# Altium PCB GPSGSMTruck.PcbDoc (continued)
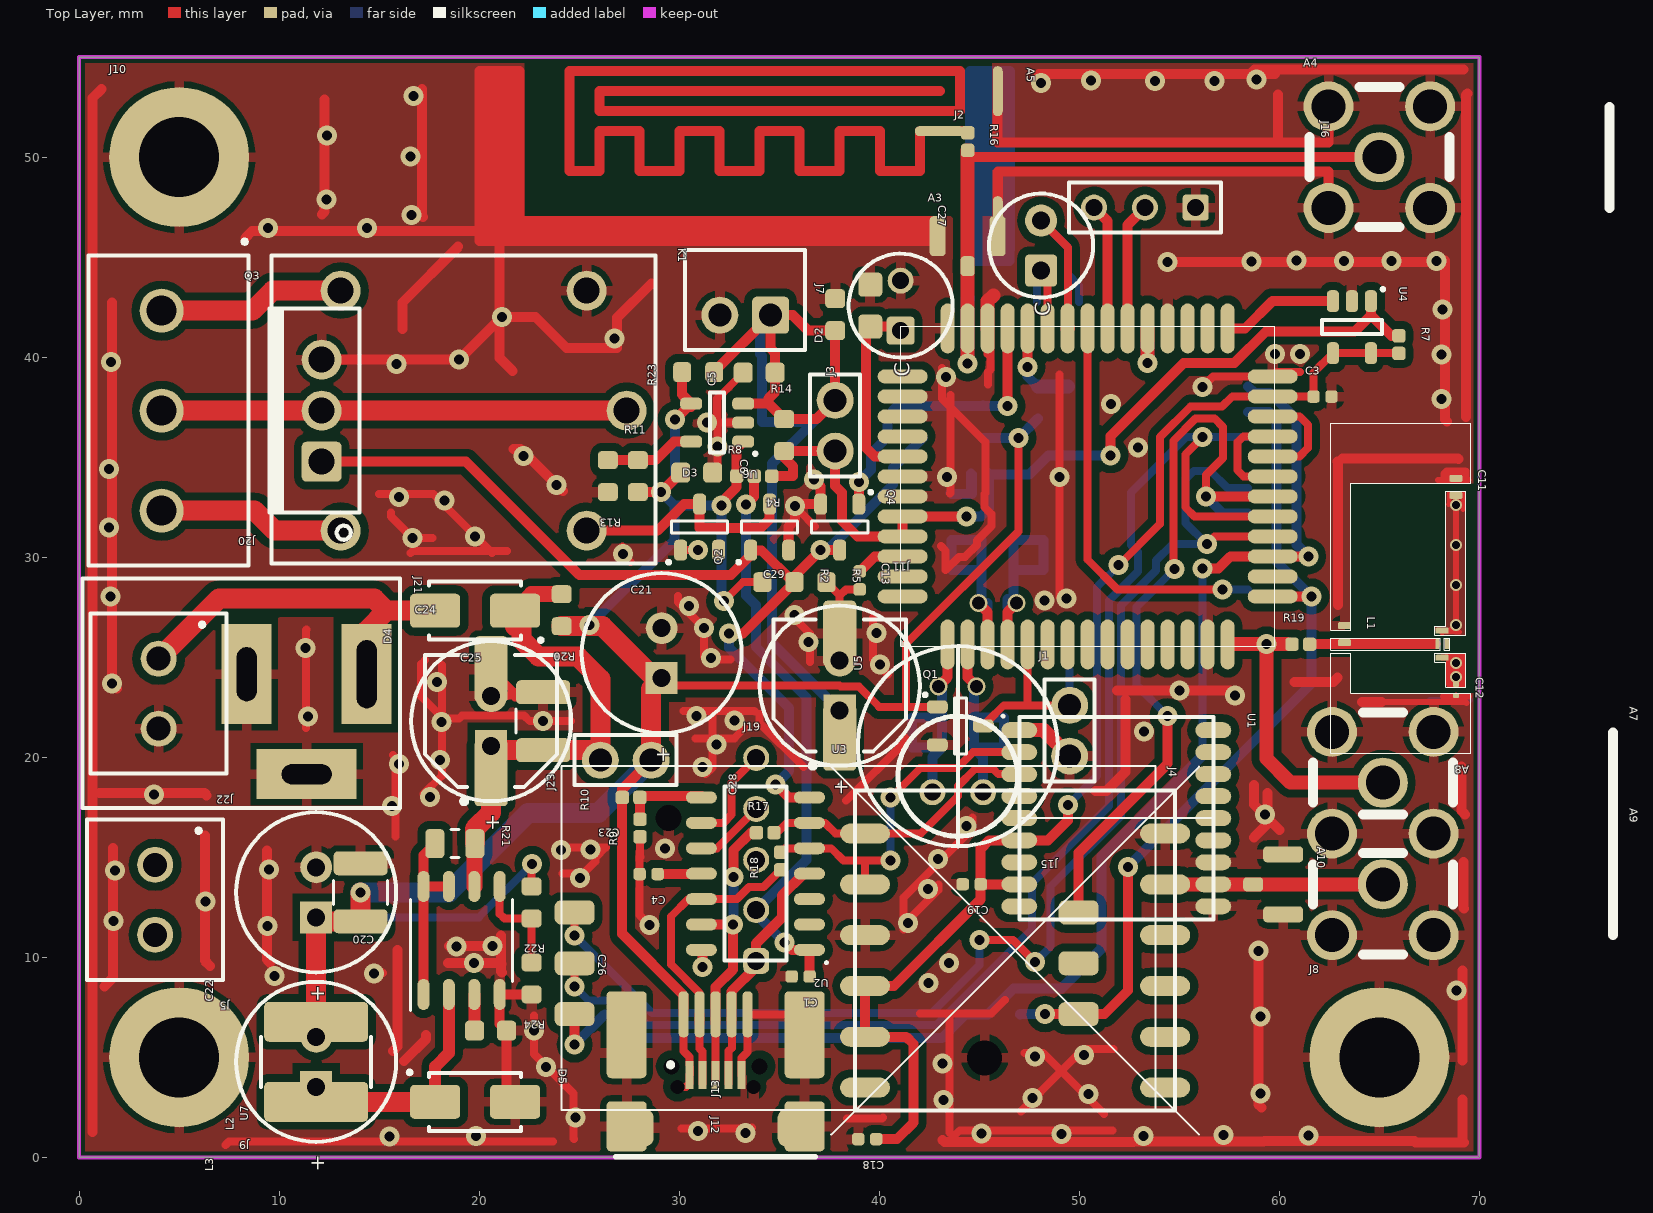
[diagram p0: Top Layer view]
## Footprints (in the part's own frame and the unit in brackets; to place one, negate y for a bottom-side part, rotate by r counter-clockwise, add the part's x,y. Pads: shape width x height; smd on the part's side, far side on the other; paste and mask are expansions set on the pad) (continued)
SMD_CHIP_ANTENNA_GPS_BT [mm] "ANT016008LCD"
  rrect33% 0.3x0.65 smd mask+0.075: 1(-0.675,0) 2(0.675,0)
  rrect33% 0.5x0.21 smd mask+0.075: 3(0,0.23) 4(0,-0.23)
  rrect42% 0.35x0.65 smd mask+0.075: 5(-8.29,0.69) 6(-7.44,0.69) 9(-0.93,-4.88) 10(-0.08,-4.88)
  rrect42% 0.25x0.3 smd mask+0.075: 7(2.01,0.69) 8(2.56,0.69)
  Top Layer lines w0.25: 2.01,0.69 1.65,0.69
  Top Layer lines w0.3: 0.675,0 0.675,0.19 0.675,0.415 0.95,0.69 ; -0.675,0 -0.675,0.395 -0.97,0.69 -4.97,0.69 -6.97,0.69 -7.44,0.69
  silkscreen extent -11.06,-5.56 5.44,1.44
SMD_CON-ATTEND_MICRO_SIM_115Q-BCA0 [mm] "ATTEND MicroSIM Holder 115Q-BCA0"
  rrect50% 1x1.3 smd mask+0.05: 1(3.57,15.75) 2(1.03,15.75) 3(-1.51,15.75) 4(-4.05,15.75) 5(2.3,15.75) 6(-0.24,15.75) 7(-2.78,15.75) 8(-5.32,15.75) 9(-6.59,15.75)
  rrect50% 1.15x2.1 smd mask+0.05: 10(-8.07,0) 11(8.07,0)
  rrect67% 1.15x2.35 smd mask+0.05: 12(-8.33,11.78)
  rrect67% 1.15x2.5 smd mask+0.05: 13(8.33,14.1)
  silkscreen extent -8.9,-1.15 8.9,16.45, body extent -8.64,-1.55 8.65,16.52, height 1.63
SMD_CON-ATTEND_SIM_115B-AAA0-R01 [mm] "ATTEND SIM Holder 115B-AAA0-R01"
  rrect50% 2x1.2 smd mask+0.05: 1(-20.5,2.19) 2(-20.5,4.73) 3(-20.5,7.27) 5(4.7,2.19) 6(4.7,4.73) 7(4.7,7.27)
  rrect50% 1x1 hole 1.3 mask+0.05: 13(-15.8,12)
  rrect50% 1x1 hole 1.75 mask+0.05: 14(0,0)
  silkscreen extent -21.15,-2.6 8.55,14.6, body extent -21.15,-2.6 8.55,14.6, height 2.4
SMD_CON-CVILUX-CU04-SCM15B0 [mm]
  rrect80% 0.5x2.3 smd mask+0.075: 1(-1.6,2.6) 2(-0.8,2.6) 3(0,2.6) 4(0.8,2.6) 5(1.6,2.6)
  rrect20% 2x2.5 smd mask+0.075: 6(4.45,2.5) 7(4.45,-3) 8(-4.45,-3) 9(-4.45,2.5)
  round 0.1 hole 0.8 unplated mask+0.275: 10(-2.2,0) 11(2.2,0)
  body extent -4.95,-5.9 4.95,3.1, height 3.95
SMD_CON_ANTENNA_GSM_PCB_1_INV [mm]
  oval 2.5x0.5 smd: 1(-2.025,0)
  rrect50% 0.7x1.5 smd: 2(-2.125,-5)
  rrect50% 0.7x2.5 smd far side: 2(-0.025,-5.5)
  oval 0.5x2.5 smd: 2(0.875,-4.498) 2(0.875,2)
  Top Layer lines w0.5: -23.525,3 -23.525,-4.998 -23.525,-5.496 ; -3.025,0 -3.025,-2 -5.025,-2 -5.025,0 -7.025,0 -7.025,-1.99 -9.025,-1.99 -9.025,0 -11.025,0 -11.025,-1.99 -13.025,-1.99 -13.025,0 -15.025,0 -15.025,-1.99 -17.025,-1.99 -17.025,0 -19.025,0 -19.025,-1.99 -20.525,-1.99 -20.525,3 -1.025,3 -1.025,1 -19.025,1 -19.025,2 -2.025,2 ; -2.125,-4.998 -2.13,-4.998 -2.82,-4.998 -23.025,-4.998 ; -2.125,-4.996 -2.125,-5.496 ; -24.525,-5.496 -24.525,-4.998 -24.525,3 -24.025,3 -24.025,-3.74 -24.025,-4.998 -24.025,-5.496 ; -24.525,-5.496 -25.025,-5.496 -25.025,-4.998 -25.025,3 -23.025,3 -23.025,-4.5 ; -24.525,-5.496 -24.025,-5.496 ; -24.025,-5.496 -23.525,-5.496 ; -23.525,-5.496 -23.025,-5.496 ; -23.025,-5.496 -23.025,-4.998 ; -23.025,-5.496 -23.025,-4.998 ; -23.025,-5.496 -5.025,-5.496 ; -23.025,-4.998 -23.025,-4.5 ; -23.025,-4.998 -23.025,-4.5 ; -23.025,-4.5 -2.13,-4.5 -2.125,-4.5 -2.125,-5.496 ; -5.025,-5.496 -3.025,-5.496 ; -5.025,-5.496 -3.025,-5.496 ; -3.025,-5.496 -2.13,-5.496 -2.125,-5.496 ; -2.125,-5.496 -2.125,-4.496 -2.125,-5.496
  Bottom Layer lines w0.5: 1.475,3 0.975,3 ; -0.025,-6.5 0.475,-6.5 ; -0.025,-6.5 -0.025,3 ; -0.025,-6.5 -0.525,-6.5 -0.525,3 -0.025,3 ; -0.025,3 0.475,3 ; 0.475,-6.5 0.975,-6.5 0.975,3 ; 0.475,-6.5 0.475,-5.5 0.475,3 ; 0.475,3 0.975,3
SMD_CON_ANTENNA_SMA_RIGHT_ANGLE#1 [mm]
  round 2.5 hole 1.7: 1(0,0) 2(-2.54,-2.54) 2(-2.54,2.54) 2(2.54,-2.54) 2(2.54,2.54)
  silkscreen extent -3.5,-3.5 11.5,3.5, body extent -3.15,-3.16 9.13,3.15, height 9.7
SMD_CON_ANTENNA_SMA_RIGHT_ANGLE#2 [mm]
  round 2.5 hole 1.7: 1(0,0) 2(-2.54,2.54) 2(2.54,2.54)
  silkscreen extent -3.5,-3.5 11.5,3.5, body extent -3.15,-3.16 9.13,3.15, height 9.7
SMD_CON_ANTENNA_UFL [mm]
  rrect50% 0.7x1 smd: 1(0,-1.5)
  rrect50% 0.8x2 smd: 2(-1.5,0) 2(1.5,0)
SMD_CON_MICRO_USB [mm]
  rect 1.4x0.4 smd: 1(0,-1.3) 2(0,-0.65) 3(0,0) 4(0,0.65) 5(0,1.3)
  round 0.5 hole 0.7: 6(0.6,1.9) 9(0.6,-1.9)
  rrect50% 1.9x1.8 smd: 7(2.65,4) 8(2.65,-4)
  silkscreen extent -0.6,-5 4.1,5, body extent -0.1,-4 5.5,4, height 2.7
SMD_DO214AC_SMA [mm]
  rrect24% 2.5x1.7 smd mask+0.075: 1(-2,0) 2(2,0)
  silkscreen extent -3.46,-1.45 2.3,1.65, body extent -2.64,-1.39 2.64,1.4, height 2.29
SMD_INDM600500 [mm] "FPI0504 DA54"
  rrect25% 2x5.2 smd mask+0.075: 1(-2,0) 2(2,0)
  silkscreen extent -1.25,-2.75 1.25,2.75, body extent -3.1,-3.1 3.1,3.1, height 2.8
SMD_MOD_L76_SOIC110P970X1010-18N [mm] "Quectel L76"
  oval 1.8x0.8 smd mask+0.075: 1(-4.85,4.4) 2(-4.85,3.3) 3(-4.85,2.2) 4(-4.85,1.1) 5(-4.85,0) 6(-4.85,-1.1) 7(-4.85,-2.2) 8(-4.85,-3.3) 9(-4.85,-4.4) 10(4.85,-4.4) 11(4.85,-3.3) 12(4.85,-2.2) 13(4.85,-1.1) 14(4.85,0) 15(4.85,1.1) 16(4.85,2.2) 17(4.85,3.3) 18(4.85,4.4)
  silkscreen extent -5.77,-5.05 4.85,5.22, body extent -4.85,-5.05 4.85,5.05, height 2.52
SMD_MOD_L80_SOIC254P1600X1600-12N [mm] "Quectel L80 L86"
  oval 2.5x1 smd mask+0.075: 1(-7.5,5.85) 2(-7.5,3.31) 3(-7.5,0.77) 4(-7.5,-1.77) 5(-7.5,-4.31) 6(-7.5,-6.85) 7(7.5,-6.85) 8(7.5,-4.31) 9(7.5,-1.77) 10(7.5,0.77) 11(7.5,3.31) 12(7.5,5.85)
  silkscreen extent -9.2,-9.2 9.2,9.2, body extent -8,-8 8,8, height 6.95
SMD_MOD_MC60_54_PIN [mm]
  oval 2.5x0.7 smd: 1(-7.9,7) 2(-7.9,6) 3(-7.9,5) 4(-7.9,4) 5(-7.9,3) 6(-7.9,2) 7(-7.9,1) 8(-7.9,0) 9(-7.9,-1) 10(-7.9,-2) 11(-7.9,-3) 12(-7.9,-4) 13(-7.9,-5) 14(-7.9,-6) 15(-7.9,-7) 28(7.9,-7) 29(7.9,-6) 30(7.9,-5) 31(7.9,-4) 32(7.9,-3) 33(7.9,-2) 34(7.9,-1) 35(7.9,0) 36(7.9,1) 37(7.9,2) 38(7.9,3) 39(7.9,4) 40(7.9,5) 41(7.9,6) 42(7.9,7)
  oval 0.7x2.5 smd: 16(-5.5,-9.25) 17(-4.5,-9.25) 18(-3.5,-9.25) 19(-2.5,-9.25) 20(-1.5,-9.25) 21(-0.5,-9.25) 22(0.5,-9.25) 23(1.5,-9.25) 24(2.5,-9.25) 25(3.5,-9.25) 26(4.5,-9.25) 27(5.5,-9.25) 43(5.5,9.25) 44(4.5,9.25) 45(3.5,9.25) 46(2.5,9.25) 47(1.5,9.25) 48(0.5,9.25) 49(-0.5,9.25) 50(-1.5,9.25) 51(-2.5,9.25) 52(-3.5,9.25) 53(-4.5,9.25) 54(-5.5,9.25)
  silkscreen extent -8,-9.35 8,9.35, body extent -7.9,-8.85 7.9,8.85, height 2.3
SMD_SOIC127P600X175-8N [mm]
  oval 1.55x0.6 smd mask+0.075: 1(-2.7,1.905) 2(-2.7,0.635) 3(-2.7,-0.635) 4(-2.7,-1.905) 5(2.7,-1.905) 6(2.7,-0.635) 7(2.7,0.635) 8(2.7,1.905)
  silkscreen extent -3.5,-2.55 2.05,2.55, body extent -3,-2.5 3,2.5, height 1.75
SMD_SOIC127P600X175-14N [mm]
  oval 1.55x0.6 smd mask+0.075: 1(-2.7,3.81) 2(-2.7,2.54) 3(-2.7,1.27) 4(-2.7,0) 5(-2.7,-1.27) 6(-2.7,-2.54) 7(-2.7,-3.81) 8(2.7,-3.81) 9(2.7,-2.54) 10(2.7,-1.27) 11(2.7,0) 12(2.7,1.27) 13(2.7,2.54) 14(2.7,3.81)
  silkscreen extent -3.66,-4.35 1.55,4.56, body extent -3,-4.32 3,4.33, height 1.75
SMD_SOT23_SOT95P240X120-3N [mm]
  rrect62% 1.05x0.65 smd mask+0.075: 1(-1.15,0.95) 2(-1.15,-0.95) 3(1.15,0)
  silkscreen extent -1.82,-1.4 0.3,1.62, body extent -1.2,-1.45 1.2,1.45, height 1.2
"SMD_SOT26_SOT95P285X140-5N - DLV" [mm]
  rrect67% 1.1x0.6 smd mask+0.075: 1(-1.3,0.95) 2(-1.3,0) 3(-1.3,-0.95) 4(1.3,-0.95) 5(1.3,0.95)
  silkscreen extent -2.05,-1.5 0.35,1.7, body extent -1.5,-1.5 1.5,1.5, height 1.2
SMD_SW_TACT-64K_5 [mm]
  rrect31% 1.3x1.6 smd mask+0.075: 1(-2.25,4) 2(-2.25,-4) 3(2.25,4) 4(2.25,-4)
  silkscreen extent -3.25,-3.4 3.25,3.4, body extent -1.74,-1.75 1.75,1.75, height 5

## Part data
A1 A2 A3 A4 A5 A6 A7 A9 A10: library part ANTENNA_2
C1 C2 C3 C4 C5 C6 C7 C8 C9 C11 C12 C13 C14 C15 C16 C17 C18 C19 C20 C23 C30 C31 C32 C33 C34 C35 C36 C37 C38 C39 C40 C41: library part C
C10: library part "Cap Semi", "CL32A227MQVNNNE 220UF 6.3V 20% X5R 1210"
C21 C24 C25 C28 C29: library part "CAPACITOR POL", "Capacitor"
C22 C26 C27: library part CAP, "Capacitor"
D1 D2: library part D
D3: "1N4148"
D4 D5: library part D_STKY
J2 J3 J7 J15: library part CON_2PINS
J4: library part CON_14PINS
J12 J13: library part CON_USB_MINI
J20: library part CON_3PINS
L1: library part L
L2: library part INDUCTOR1, "FPI0504 DA54"
L3: library part INDUCTOR1
Q1 Q2 Q4: library part BJT_NPN_B1E2C3
Q3: library part MOS_N_D1_G1D2S3
R1 R2 R3 R4 R5 R6 R7 R8 R9 R10 R11 R12 R13 R14 R15 R16 R17 R18 R19 R20: library part R
R21 R22 R23 R24: library part RES2
SW1: library part BUTTON_1
U1: library part MOD_QUECTEL_L76
U3: library part MOD_QUECTEL_L80_L86
U4: library part IC_BU33TD3WG
U6: "MCP73812"
U7: "DC/DC converter"

## Free pads (board coordinates)
  rrect25% 2x2.5 smd: 0(27.37,5.2) 0(36.27,5.2)

## Via types
v1: diameter 1, hole 0.5, Top Layer to Bottom Layer, tented both sides, 164 vias
v2: diameter 0.6, hole 0.4, Top Layer to Bottom Layer, tented both sides, 6 vias

## Nets (pads, with @x,y where several pads share a name; then routed paths per layer and width w, separated by ;. In a path a pad name is that pad's centre, name@x,y a point inside that pad or via, vN(x,y) a via of type N, cw(c..) or ccw(c..) an arc to the next point about the centre after c; other vN are vias at no path point)
1PPS: U5.17
5.0V: C6.1 C20.2 C21.1 C22.1 J12.1 J12.9 J13.1 J23.1 L2.2 L3.2 Q1.1 R1.1 R2.1 R8.1 R10.2 R11.1 R12.1 R20.2 R22.1 R23.2 U6.1 U6.4 | length 134.6
  Top Layer w0.4: R22.1 22.62,14.64 v1(22.65,14.67) ; 27.14,13.54 27.15,13.53 ; C21.1@29.36,23.95 29.735,23.575 38.025,23.575 38.075,23.525 38.991,23.525 39.996,22.52 41.325,22.52 ; J12.9 30.336,3.525 30.52,3.709 J12.1 ; J13.1 30.22,5.31 30.52,5.01 30.54,4.125 J12.1@30.54,4.105 ; v1(32.23,27.8) 33.18,28.75 R2.1 ; Q1.1 41.325,22.52 ; v1(46.96,35.96) 46.96,31.29 41.325,25.655 41.325,22.52
  Top Layer w0.5: R20.2 24.185,26.61 v1(25.52,26.61) ; R11.1 v1(29.1,33.25) C6.1 ; J23.1 27.15,18.405 27.15,13.53 27.15,11.171 30.22,8.101 J13.1 ; v1(29.8,36.89) 30.585,37.675 U6.4 ; R23.2 30.15,38.125 U6.4 ; U6.4@30.6,37.51 U6.4 ; v1(32.11,32.59) 32.11,32.744 32.87,33.504 R8.1 32.87,35.445 U6.1
  Top Layer w1: L2.2 C22.1 12.05,11.8 C20.2 v1(14.075,13.25) ; R20.2 26.16,26.55 28.76,23.95 C21.1 ; J23.1 28.595,23.42 C21.1 ; C21.1@29.36,23.95 C21.1
  Bottom Layer w0.4: C22.1 19.98,12 v1(22.65,14.67)
  Bottom Layer w0.5: v1(25.52,26.61) 29.76,30.85 29.76,32.59 ; v1(29.8,36.89) 29.8,33.95 v1(29.1,33.25) 29.76,32.59 ; v1(32.23,27.8) 32.11,27.92 v1(32.11,32.59) 29.76,32.59 ; R1.1 v1(46.96,35.96) R12.1
  Bottom Layer w1: v1(14.075,13.25) 18.48,13.25 22.45,17.22 25.965,17.22 J23.1
8-24V: D4.2 J21.1 J22.1 | length 18.9
  Top Layer w1: J22.1 6.98,27.93 14.755,27.93 15.36,27.325 ; J21.1 14.375,26.34 15.36,27.325 ; D4.2 15.36,27.325
ADC: U5.6
AUX_RX: U5.22 U5.24 | length 5.2
  Top Layer w0.4: U5.22 58.22,34.04 57.91,34.35 57.91,35.75 58.2,36.04 U5.24
AUX_TX: U5.23 U5.25 | length 5
  Top Layer w0.4: U5.23 61.01,35.04 61.44,35.47 61.44,36.62 61.02,37.04 U5.25
B_BT: A8.2 A8.7 C12.1 | length 7
  Top Layer w0.25: C12.1 v2(68.83,24) ; v2(68.83,24.7) v2@68.83,24.47 ; v2(68.83,24) 68.641,24.189 68.641,24.421 68.71,24.49 68.81,24.49 v2@68.83,24.47 ; v2(68.83,24) v2@68.83,24.11 ; v2@68.83,24.11 69.03,24.31 69.03,24.44 68.86,24.44 v2@68.83,24.47 ; v2@68.83,24.11 v2@68.83,24.47
  Top Layer w0.3: A8.2 68.33,24.975 68.405,25.05 69.188,25.05 69.188,23.632 68.488,23.632 68.488,24.908 68.555,24.975
B_GPS: A8.1 A8.6 C11.2 | length 3
  Top Layer w0.25: A8.1@68.14,26.214 68.176,26.25 69.01,26.25 ; 68.452,32.633 68.492,32.672 68.492,33.193 69.19,33.193 69.19,32.39
  other v2: 68.83,26.62 68.83,28.62 68.83,30.62 68.83,32.62
BT_ANT: A2.1 U5.32 | length 2.7
  Top Layer w0.7: v1(53.42,39.71) U5.32
  Bottom Layer w0.7: v1(53.42,39.71) A2.1
CD1: 
CD2: 
COMMON: J20.2 K1.3 Q3.2 | length 23.2
  Top Layer w1: J20.2 K1.3
D+: J12.3 J13.3 R17.1 U2.13 | length 15.1
  Top Layer w0.4: J12.3@31.82,3.7 J12.3 J13.3@31.82,6.725
  Top Layer w0.5: U2.13 v1(32.69,11.64) 32.69,9.38 31.82,8.51 J13.3 J13.3@31.82,6.725 ; v1(32.72,14.01) 32.72,15.366 33.583,16.229 R17.1
  Bottom Layer w0.5: v1(32.69,11.64) 32.72,11.67 v1(32.72,14.01)
D-: J12.2 J13.2 R18.1 U2.12 | length 15.4
  Top Layer w0.4: J13.2@31.02,6.725 31.02,5.445 31.17,5.295 J12.2 J12.2@31.17,3.7 ; J13.2 31.02,8.22 29.596,9.644 29.596,12.046 30.46,12.91 U2.12 32.893,12.91 33.493,13.51 34.21,13.51 R18.1
  Top Layer w0.5: J13.2@31.02,6.725 J13.2
DBG_RX: U5.30
DBG_TX: U5.29
FORCE_ON: U1.18
FORCE_ON_1: U3.7
GATE: Q2.1 Q3.1 Q4.3 R2.2 R3.2 R5.1 U2.7 | length 53.8
  Top Layer w0.5: Q3.1 19.345,34.775 25.006,29.114 32.58,29.114 Q2.1@33.575,30.109 ; v1(32.49,26.18) 33.19,26.18 R5.1 ; Q2.1 Q2.1@33.575,30.109 ; v1(34.82,18.64) 35.47,17.99 U2.7 ; Q4.3 v1(37.065,30.35) 35.76,29.045 R5.1 ; Q2.1@33.575,30.109 33.806,30.34 34.117,30.34 35.707,28.75 R5.1
  Bottom Layer w0.5: v1(32.49,26.18) 32.49,25.474 35.495,22.469 35.495,19.315 v1(34.82,18.64) ; v1(37.065,30.35) 37.405,30.35 40.69,33.635 40.69,34.47 R3.2
GND: A1.2 A2.2 A3.2 A4.2 A5.2 A6.2 A7.2 A8.5 A8.8 A8.9 A9.2 A10.2 C1.2 C3.2 C4.2 C5.2 C6.2 C7.2 C8.2 C9.2 C10.2 C11.1 C12.2 C13.2 C14.2 C15.2 C16.2 C17.2 C18.2 C19.2 C20.1 C21.2 C22.2 C23.1 C24.2 C25.2 C26.2 C27.1 C28.2 C29.2 C30.1 C31.1 C32.1 C33.1 C38.2 C39.2 C40.2 C41.2 D2.2 D3.1 D5.2 J1.1 J3.2 J4.13 J4.14 J7.1 J8.1 J9.1 J10.1 J12.5 J12.6 J12.7 J12.8 J13.5 J13.6 J13.7 J13.8 J13.9 J14.10 J14.11 J14.12 J14.13 J16.3 J19.3 J21.2 J21.3 J22.2 K1.1 L1.1 pad.0 Q1.2 Q2.2 Q3.3 Q4.2 R5.2 R6.2 R9.1 R13.2 R15.2 R24.2 SW1.2 U1.1 U1.10 U1.12 U2.14 U3.3 U3.12 U4.2 U5.14 U5.27 U5.31 U5.40 U5.42 U5.44 U5.45 U5.48 U5.49 U6.2 U7.4 | length 634.1
  Top Layer w0.3: 65.121,22.76 68.5,22.76 ; 67.93,33.864 69.459,33.864 69.351,33.972 69.351,34.311 69.314,34.347 68.364,34.347 68.198,34.181 68.198,34.041 68.729,34.041 C11.1 69.06,33.94 69.27,34.15 69.27,34.18 69.26,34.19 68.229,34.19 68.227,34.187 ; 68.174,23.033 C12.2@68.773,23.033 ; C12.2 C12.2@68.773,23.033 ; 69.35,22.72 69.31,22.76 68.5,22.76 ; 69.486,23.033 C12.2@68.773,23.033 ; 68.5,22.76 C12.2@68.773,23.033
  Top Layer w0.4: 7.31,0.62 7.486,0.796 23.68,0.796 ; 11.34,21.46 11.34,26.36 11.37,26.39 ; 15,33.149 17.711,33.149 20.55,30.31 ; v1@15.157,9.25 v1@15.19,9.217 ; 15.59,32.23 15.59,32.033 v1(16.664,30.96) 17.67,30.96 ; 15.69,20.1 15.81,19.98 15.81,16.05 ; 16.57,30.2 16.68,30.31 20.55,30.31 ; v1@17.22,18.16 18.13,19.07 v1@18.13,22.01 ; 17.301,24.85 17.1,24.649 17.1,23.04 v1@18.13,22.01 ; 18.13,24.6 v1@18.13,22.01 ; 20.65,30.21 20.55,30.31 ; 21.38,30.31 20.55,30.31 ; 22.74,7.09 22.74,5.16 24.71,3.19 24.71,0.94 24.73,0.92 ; C23.1 C23.1@22.07,23.25 ; 24.17,14.198 25.221,14.198 25.82,14.797 25.82,14.992 26.328,15.5 v1@24.313,15.5 ; 24.6,21.8 22.53,21.8 22.241,22.089 19.15,22.089 19.001,21.94 18.24,21.94 18.22,21.92 v1@18.13,22.01 ; v1@27.16,30.539 27.16,30.16 27.556,29.764 ; R9.1 28.04,15.03 ; 28.06,15.01 28.04,15.03 ; v1(28.517,11.61) 28.02,12.107 C4.2 28.02,15.01 28.04,15.03 ; 29.944,28.07 29.944,27.764 v1(31.246,26.462) 31.246,25.044 31.4,24.89 32.567,24.89 ; D3.1 v1(30.93,30.35) v1@30.95,30.37 ; 30.103,1.45 33.612,1.45 v1@33.64,1.478 ; 30.21,22.32 31.656,22.32 ; 30.81,20.947 v1@31.656,20.947 ; v1@31.322,19.15 31.656,19.484 v1@31.656,20.947 ; v1(31.4,36.725) v1@31.9,36.725 ; C6.2 31.92,34.47 v1(31.92,35.53) 31.92,36.705 v1@31.9,36.725 ; J12.5 33.12,4.967 33.42,5.267 J13.5 34.42,7.15 34.43,7.14 36.18,7.14 J13.6 ; U6.2 v1@31.9,36.725 ; C5.2 31.9,37.925 v1@31.9,36.725 ; 33.275,21.47 32.751,20.947 v1@31.656,20.947 ; 33.78,22.29 33.75,22.32 31.656,22.32 ; 34.019,22.157 34.019,21.714 36.21,19.523 ; v1@35.495,27.22 36.526,26.189 36.526,24.751 ; v1@36.001,32.69 36.001,32.65 36.001,32.322 36.78,31.543 ; R5.2 38.025,28.085 ; C29.2 38.025,28.085 ; 38.349,17.83 41.28,20.761 41.28,20.988 ; 38.385,1.93 40.14,1.93 40.19,1.98 ; C13.2 38.33,28.39 38.025,28.085 ; 39.696,26.98 39.696,24.874 40.444,24.127 ; v1@41.22,11.39 41.22,12.989 44.66,16.429 44.66,16.99 ; v1@41.6,12.009 42.965,13.374 42.965,13.64 ; 42.03,7.2 45.608,7.2 46.278,7.87 ; 43.08,30.56 43.321,30.319 43.321,29.35 43.981,30.01 44.275,30.01 44.88,30.615 44.88,30.832 45.61,31.562 45.61,32.15 45.26,32.5 45.26,33.17 45.3,33.21 45.3,35.764 43.565,37.499 ; 43.125,39.46 43.125,37.939 43.565,37.499 ; 43.503,7.12 43.503,1.237 43.55,1.19 ; 43.536,33.193 43.565,33.223 43.565,37.499 ; 43.565,38.11 43.565,37.499 ; 43.678,1 44.028,1.35 51.654,1.35 ; 45.448,38.641 45.448,39.268 45.56,39.38 45.56,40.03 ; 47.08,2.29 49.103,4.313 ; 47.25,5.22 48.195,5.22 49.103,4.313 ; 49.008,39.145 49.008,28.012 v1@49.04,27.98 ; 51.244,2.171 49.103,4.313 ; 51.71,5.415 50.205,5.415 49.103,4.313 ; v1(56.15,38.51) 56.68,39.04 U5.27@59.637,39.04 ; U5.27 U5.27@59.637,39.04 ; 61.03,39.26 59.857,39.26 U5.27@59.637,39.04 ; 21.75,23.25 C24.2 C25.2 21.074,23.05 21.094,23.07 21.39,23.07 21.4,23.08 21.58,23.08 21.75,23.25 ; 21.75,23.25 C23.1@22.052,23.25 ; C23.1@22.052,23.25 21.792,22.99 21.81,22.99 C23.1@22.07,23.25 ; C23.1@22.052,23.25 C23.1@22.07,23.25 ; v1@31.656,20.947 31.656,22.32 ; 45.56,40.03 45.42,40.17 U5.40 45.56,41.3 45.56,40.03
  Top Layer w0.5: 0.67,1.259 0.67,52.96 1.11,53.4 ; 1.02,18.22 6.254,18.22 6.377,18.097 ; 1.27,8.55 1.68,8.96 1.68,15.461 ; 1.65,42.74 v1(1.65,23.68) v1@1.9,23.43 ; 6.28,16.1 6.28,9.83 6.54,9.57 ; 8.314,45.971 8.645,46.302 20.025,46.302 20.525,46.302 21.025,46.302 ; 9.39,15.34 9.39,9.88 9.55,9.72 ; Q3.3 v1(18.995,39.875) v1@21.025,41.905 ; 12.13,47.14 12.275,47.285 12.275,52.89 ; 15.7,5.315 15.92,5.535 15.92,10.36 ; 16.16,41.41 16.16,42.735 18.95,45.525 ; 16.24,4.81 17.35,5.92 17.35,6.11 ; 17.13,53.4 17.13,47.07 17.19,47.01 ; 18.45,9.71 21.07,9.71 21.09,9.69 ; v1@18.49,10.56 v1(20.67,10.56) v1@20.84,10.39 ; 21.025,47.56 21.025,46.302 ; 21.09,11.09 21.09,9.69 ; 21.11,9.67 21.09,9.69 ; 21.13,9.24 21.09,9.28 21.09,9.69 ; 21.67,39.318 21.025,39.963 v1@21.025,41.905 ; 21.71,35.41 22.075,35.41 v1@24.185,33.3 ; D5.2 21.37,3.205 C26.2 21.025,6.675 U7.4 R24.2 ; 28.61,43.69 26.9,41.98 26.9,40.46 24.36,40.46 22.81,42.01 v1(21.13,42.01) v1@21.025,41.905 ; U2.14 31.16,10.32 v1(31.16,9.52) ; Q2.2 35.475,31.535 35.794,31.854 v1(35.794,32.56) 35.884,32.65 36.001,32.65 Q4.2 37.075,33.535 v1(36.73,33.88) ; 42.23,46.302 22.025,46.302 21.525,46.302 21.025,46.302 ; 43.155,0.87 43.265,0.76 52.702,0.76 52.721,0.779 59.22,0.779 59.251,0.81 66.75,0.81 66.81,0.75 69.227,0.75 69.15,0.827 69.15,2.9 ; A5.2@45.92,52.31 45.92,50.73 59.9,50.73 ; A3.2@45.925,46.802 45.925,49.275 62.46,49.275 A4.2@62.46,47.46 ; v1@47.98,54.16 v1@58.55,54.16 ; 50.816,18.32 51.354,18.32 52.304,19.27 52.304,22.887 ; 51.89,23.33 57.54,23.33 v1(57.79,23.08) ; v1(54.399,44.77) 68.22,44.77 68.29,44.84 68.29,36.88 68.39,36.78 ; 58.73,18.62 58.73,17.636 v1@59.41,16.956 ; 58.74,16 59.41,16.67 v1@59.41,16.956 ; v1(58.95,10.326) 58.95,2.65 59.11,2.49 ; 59.41,18.22 v1@59.41,16.956 ; 59.79,54.15 59.78,54.16 v1@58.55,54.16 ; 59.93,53.13 59.93,50.76 59.9,50.73 ; 60.01,16.356 v1@59.41,16.956 ; 60.764,23.772 62.712,23.772 62.92,23.98 ; A4.2@62.46,52.54 62.46,50.73 59.9,50.73 ; 62.92,34.796 62.946,34.769 62.946,27.612 ; 63.17,34.94 68.94,34.94 68.97,34.91 ; 64.14,22.76 65.121,22.76 ; 69.1,19.54 69.1,17.336 69.29,17.146 ; 69.15,9.34 69.15,4.85 69.16,4.84 ; 69.2,14.77 69.2,12.467 69.227,12.44 ; 69.21,54.38 58.77,54.38 v1@58.55,54.16 ; 69.34,37 69.34,53.12 69.4,53.18 ; v1@21.025,41.905 21.025,45.804 21.025,46.302
  Top Layer w0.7: U5.40 45.42,42.807 45.703,43.09 ; U1.1 48.225,21.35 J1.1
  Bottom Layer w0.3: 67.54,22.86 69.54,22.858
  Bottom Layer w0.5: 43.565,33.223 43.618,33.17 C16.2 ; 46.025,44.8 46.51,44.8 46.51,45.334 46.525,45.349 46.525,54.3 ; C16.2 C17.2 44.64,34.13 44.64,33.17 C16.2
  other v1: 15.51,1.03 19.83,1.061 53.21,1.06 61.46,1.1 57.21,1.11 45.12,1.18 49.12,1.16 33.303,1.22 30.93,1.32 24.81,1.98 43.2,2.86 47.66,2.97 50.47,3.17 59.05,3.19 23.35,4.525 43.17,4.68 47.786,5.05 50.23,5.12 22.74,6.33 59.05,7.03 68.86,8.33 42.47,8.72 9.77,9.06 14.75,9.18 19.73,9.72 43.49,9.72 18.87,10.55 9.42,11.56 41.43,11.71 1.71,11.82 6.315,12.8 42.44,13.42 25.046,13.96 1.78,14.35 9.49,14.39 42.93,14.91 24.08,15.37 25.565,15.4 29.294,15.45 44.36,16.56 59.28,17.146 15.64,17.56 17.54,18.02 3.74,18.13 31.16,19.51 15.99,19.65 18.03,19.87 31.851,20.64 53.23,21.29 18.11,21.75 23.2,21.8 32.751,21.84 11.44,22.03 30.86,22.07 55,23.33 17.89,23.76 40.03,24.63 31.6,24.96 11.31,25.47 36.46,25.76 39.87,26.2 35.76,27.12 30.5,27.57 48.27,27.84 49.37,27.947 1.56,28.03 27.194,30.17 19.779,31.04 1.49,31.48 18.26,32.83 16,33.009 23.875,33.61 49.008,34 43.38,34.02 1.49,34.4 22.207,35.06 52.93,35.48 51.58,37.65 68.12,37.91 43.33,39 15.86,39.67 1.59,39.76 68.1,40.13 59.78,40.17 61.03,40.16 26.77,40.94 68.15,42.39 58.62,44.79 63.23,44.82 65.61,44.82 67.86,44.8 60.87,44.84 9.45,46.45 14.4,46.45 16.62,47.12 12.37,47.88 16.56,50.04 12.4,51.09 16.72,53.05 48.09,53.7 53.78,53.8 56.76,53.81 50.58,53.84 58.87,53.89
GNSS_ANT: A6.1 A7.1 R19.1 U5.15 | length 16.5
  Top Layer w0.5: U5.15 U5.15@57.43,25.65
  Top Layer w0.7: U5.15@57.43,25.65 v1(59.36,25.65) ; R19.1@60.41,25.65 v1(59.36,25.65) ; A7.1 60.565,18.725 59.36,19.93 v1(59.36,25.65)
  Bottom Layer w0.7: A6.1 v1(59.36,25.65)
GNSS_VCC_EN: U4.3 U5.28 | length 5.8
  Top Layer w0.5: U5.28 58.29,41.44 59.65,42.8 U4.3
GPS_ANT: A9.1 A10.1 U1.11 U3.11 | length 10.9
  Top Layer w0.7: U3.11@54.29,13.65 65.17,13.65 A9.1
GPS_RST: U1.9
GPS_RST_1: U3.10
GPS_RX: R17.2 U1.3 U2.6 U3.1 | length 14.4
  Top Layer w0.4: R17.2 34.889,16.229 35.38,16.72 U2.6 37.29,16.72 37.825,16.185 U3.1 42.075,16.185 43.94,18.05 43.94,18.565 44.795,19.42 45.68,19.42 45.95,19.15 U1.3
GPS_TX: R18.2 U1.2 U2.5 U3.2 | length 17.6
  Top Layer w0.4: R18.2 35.27,15.45 U2.5 37.6,15.45 38.217,14.833 v1(40.572,14.833) ; U3.2 39.29,14.833 ; v1(40.572,17.977) 42.045,19.45 43.88,19.45 44.68,20.25 U1.2
  Bottom Layer w0.4: v1@40.56,14.82 v1(40.572,14.833) v1(40.572,17.977)
GPS_VDD: C3.1 C18.1 C19.1 R7.2 U1.6 U1.8 U3.4 U3.5 U4.4 U4.5 U5.26 | length 64.5
  Top Layer w0.4: U3.4@38.425,8.565 U3.4 ; v1(51.97,29.6) 54.042,31.672 54.042,36.003 55.569,37.53 57.14,37.53 57.65,38.04 U5.26 ; U5.26@59.68,38.03 C3.1 61.71,39.23 U4.4 U4.5 65.97,40.2 R7.2
  Top Layer w0.5: C18.1 40.89,0.91 41.71,1.73 41.71,5.66 41.345,6.025 U3.5 U3.4 40.735,8.565 45.07,12.9 C19.1 ; U1.8 C19.1 ; v1(49.425,17.6) 49.425,16.835 48.44,15.85 U1.6 45.49,15.85 45.07,15.43 C19.1
  Bottom Layer w0.4: v1(49.425,17.6) 50.89,19.065 50.89,28.52 v1(51.97,29.6)
GSM_CTS: R12.2 R15.1 U5.38 | length 4.6
  Top Layer w0.5: v1(47.41,39.52) 47.41,41.43 U5.38
  Bottom Layer w0.5: v1(47.41,39.52) 47.41,39.04 R12.2
  Bottom Layer w0.7: R12.2 R15.1
GSM_DCD: D1.2 J2.2 U5.36 | length 10.8
  Top Layer w0.4: J2.2 49.44,45.48 U5.36@49.44,41.46
  Top Layer w0.7: U5.36 U5.36@49.44,41.46
  Bottom Layer w0.4: J2.2 49.44,45.48 49.44,44.13 49.975,43.595 D1.2
GSM_DTR: D1.1 J2.1 U5.37 | length 4.7
  Top Layer w0.4: J2.1 48.42,44 U5.37
  Bottom Layer w0.4: D1.1 47.875,44.115 J2.1
GSM_PWRKEY: J1.2 Q1.3 SW1.4 U5.5 | length 9.6
  Top Layer w0.4: Q1.3 45.435,21.805 46.225,22.595 J1.2 ; 47.42,22.595 U5.5
  Bottom Layer w0.4: J1.2 SW1.4
GSM_RI: J14.9 U5.35 | length 20.2
  Top Layer w0.4: U5.35 50.42,29.877 51.917,28.38 v1(57.17,28.38)
  Bottom Layer w0.4: v1(57.17,28.38) J14.9
GSM_RTS: Q4.1 R1.2 R3.1 R6.1 U5.39 | length 15.1
  Top Layer w0.5: Q4.1 38.98,32.655 v1(38.98,33.76) ; v1(46.41,37.57) 46.41,40.05 ; 46.42,40.05 U5.39
  Bottom Layer w0.5: v1(38.98,33.76) 39.59,34.37 39.59,35.19 40.41,36.01 40.41,37.06 40.9,37.55 42.06,37.55 42.07,37.56 R1.2 45.195,37.575 45.2,37.57 v1(46.41,37.57)
GSM_RX: J16.1 U5.34 | length 6.3
  Top Layer w0.5: J16.1 51.42,46.8 U5.34
GSM_TX: J16.2 U5.33 | length 6.4
  Top Layer w0.5: U5.33 52.42,46.62 J16.2
GSM_VDD: C14.1 C15.1 C16.1 C17.1 J11.2 R4.1 R7.1 R14.1 U4.1 U5.50 U5.51 | length 44.8
  Top Layer w0.5: R4.1 35.7,34.05 35.7,34.54 35.25,34.99 R14.1 35.255,35.305 J11.2 37.8,33.56 38.135,33.225 38.135,31.815 38.91,31.04 U5.51 U5.50 v1(44.36,32.04) ; v1(51.57,35.096) 51.57,36.058 55.222,39.71 57.75,39.71 59.33,41.29 63.77,41.29 64.58,42.1 ; U4.1 64.58,42.1 ; R7.1 65.61,41.07 64.58,42.1
  Bottom Layer w0.5: v1(44.36,32.04) 45.09,32.04 45.49,32.44 C16.1 C17.1 ; C17.1@45.485,34.14 C14.1 C15.1 48.456,35.096 v1(51.57,35.096)
LED_NETWORK: D2.1 J3.1 U5.47 | length 9.8
  Top Layer w0.5: J3.1 40.87,41.525 D2.1 39.33,41.305 39.33,35.48 39.77,35.04 U5.47
LOUDSPKN: U5.53
LOUDSPKP: U5.54
MCLR: J12.4 J13.4 J19.1 U2.4 | length 12.3
  Top Layer w0.4: J12.4@32.47,3.7 J12.4 32.47,5.315 32.63,5.475 32.63,6.715 J13.4@32.62,6.725
  Top Layer w0.5: J13.4@32.62,6.725 J13.4 32.62,8.3 33.85,9.53 J19.1 33.85,10.698 35.13,11.978 35.13,13.09 36.22,14.18 U2.4
MCU_VDD: C1.1 J19.2 R4.2 R8.2 U2.1 | length 29.1
  Top Layer w0.5: v1(33.35,32.64) 33.75,33.04 R8.2 ; v1(35.26,10.74) 35.63,10.37 U2.1 36.51,9.05 C1.1
  Bottom Layer w0.5: v1(33.35,32.64) 33.35,28.09 33.84,27.6 33.84,25.51 36.36,22.99 36.36,14.875 J19.2 33.85,12.15 v1(35.26,10.74)
MICN: C36.2 C37.2 C40.1 C41.1 J15.1 J24.1 U5.2 | length 12.3
  Top Layer w0.5: U5.2 44.42,23.98 J24.1@44.86,23.54
  Bottom Layer w0.5: J24.1@44.86,23.54 44.725,23.405 C37.2 ; J15.1 45.195,20.005 C36.2 ; C36.2 C37.2 ; C36.2 C40.1 C41.1 C37.2
MICP: C32.2 C33.2 C36.1 C37.1 J15.2 J24.2 U5.1 | length 12.3
  Top Layer w0.5: J24.2@42.96,23.54 43.42,24 U5.1
  Bottom Layer w0.5: J15.2 42.655,20.005 C36.1 ; J24.2@42.96,23.54 43.125,23.375 C37.1 ; C36.1 C37.1 ; C36.1 C32.2 C33.2 C37.1
NC: J20.3 K1.5 | length 9.4
  Top Layer w1: J20.3 8.775,32.325 9.775,31.325 K1.5
NetA5_1: A5.1 R16.1 | length 1.4
  Top Layer w0.2: R16.1@44.34,51.3 R16.1
  Top Layer w0.5: A5.1 R16.1@44.34,51.3
NetA8_4: A8.4 A8.10 L1.2 R19.2 | length 11.5
  Top Layer w0.2: 62.72,25.65 67.815,25.65 A8.4
  Top Layer w0.5: R19.2 A8.4@67.815,25.65
NetC26_1: C26.1 U7.3 | length 1.8
  Top Layer w0.6: U7.3 19.755,6.345 C26.1
NetD5_1: D5.1 L2.1 L3.1 U7.2 | length 11.6
  Top Layer w0.6: D5.1 17.8,4.53 18.485,5.215 U7.2
  Top Layer w1: L2.1 D5.1
NetR11_2: R11.2 R13.1 U6.5 | length 4.6
  Top Layer w0.5: R13.1 R11.2 28.82,34.85 29.745,35.775 U6.5
NetR21_1: R21.1 U7.1 U7.7 U7.8 | length 9
  Top Layer w0.5: U7.1 U7.8 ; R21.1 17.215,15.115 U7.8 ; U7.7 U7.8
NetR22_2: R22.2 R24.1 U7.5 | length 5.3
  Top Layer w0.4: U7.5 21.025,12.175 21.26,11.94 R22.2 R24.1
NO: J20.1 K1.4 | length 9.4
  Top Layer w1: J20.1 8.67,42.325 9.67,43.325 K1.4
OUTPUT: D3.3 K1.2 Q2.3 | length 11.8
  Top Layer w0.5: K1.2 28.915,31.325 30.24,32.65 D3.3 31.02,31.45 34.065,31.45 34.525,31.91 Q2.3
PGC: J19.5 U2.9 | length 5
  Top Layer w0.4: U2.9 32.21,16.72 32.62,17.13 32.62,18.735 J19.5
PGD: J19.4 U2.10 | length 3.6
  Top Layer w0.4: U2.10 31.885,15.45 J19.4
RESERVED: U5.46
RF_ANT: A1.1 A3.1 A4.1 R16.2 U5.41 | length 34.5
  Top Layer w0.5: 44.42,50 A4.1
  Top Layer w0.7: v1(44.42,39.69) U5.41 A3.1 44.42,50 R16.2@44.42,50.335
  Bottom Layer w0.7: v1(44.42,39.69) 44.42,42.92 A1.1
SD_CD: 
SD_CD/DAT3: J5.2
SD_CLK: U5.8
SD_CMD: U5.7
SD_DAT0: U5.9
SD_DAT1: 
SD_DAT2: J5.1
SD_VDD: 
SD_VSS: 
SIM2_CLK: U5.10
SIM2_IO: U5.11
SIM2_RST: U5.12
SIM2_VDD: U5.13
SIM_CLK: J4.3 J14.3 U5.19 | length 64.7
  Top Layer w0.4: v1(24.77,11.09) J4.3 ; v1(45.01,10.86) 46.686,10.86 v1(47.786,9.76) ; v1(56.38,30.65) 56.77,31.04 U5.19
  Bottom Layer w0.4: v1(24.77,11.09) 28.64,7.22 42.62,7.22 45.01,9.61 v1(45.01,10.86) ; v1(47.786,9.76) 48.57,10.544 48.57,13.55 52.09,17.07 52.09,27.589 53.84,29.339 53.84,29.83 54.66,30.65 v1(56.38,30.65) 55.314,31.716 55.314,33.904 55.73,34.32 56.55,34.32 57.41,33.46 J14.3
SIM_GND: C2.2 J4.5 J14.5 U5.16 | length 42.5
  Top Layer w0.5: v1(48.29,7.16) J4.5 51.26,7.16 52.44,8.34 v1(52.44,14.521) ; U5.16 v1(61.61,28.04)
  Bottom Layer w0.5: C2.2 47.046,7.16 v1(48.29,7.16) ; v1(52.44,14.521) 61.61,23.691 v1(61.61,28.04) 59.86,29.79 59.86,36.9 59.49,37.27 J14.5
SIM_IO: J4.7 J14.7 U5.21 | length 39.6
  Top Layer w0.4: v1(54.75,29.4) 54.7,29.45 54.7,35.813 55.817,36.93 56.77,36.93 57.19,36.51 57.19,34.96 56.34,34.11 v1(56.34,33.04)
  Top Layer w0.5: J4.7 49.97,15.23 54.42,19.68 v1(54.42,22.053) ; v1(56.34,33.04) U5.21
  Bottom Layer w0.4: v1(54.42,22.053) 52.86,23.613 52.86,27.51 v1(54.75,29.4)
  Bottom Layer w0.5: v1(56.34,33.04) 57.19,32.19 J14.7
SIM_RST: J4.2 J14.2 U5.20 | length 66.4
  Top Layer w0.4: v1(24.77,8.535) J4.2 ; v1(56.16,36) 55.3,35.14 55.3,32.5 55.76,32.04 U5.20
  Bottom Layer w0.4: v1(24.77,8.535) 25.455,7.85 27.161,7.85 28.391,6.62 42.869,6.62 47.635,11.386 47.635,13.705 51.49,17.56 51.49,27.837 52.94,29.287 52.94,30.25 52.58,30.61 52.58,33.24 55.34,36 v1(56.16,36) J14.2
SIM_VDD: C2.1 J4.1 J14.1 U5.18 | length 67.7
  Top Layer w0.5: v1(24.77,5.64) J4.1 ; v1(56.15,29.447) 56.957,29.447 57.55,30.04 U5.18 v1(61.45,30.04)
  Bottom Layer w0.4: 56.15,20.08 v1(56.15,29.447)
  Bottom Layer w0.5: v1(24.77,5.64) 26.28,7.15 26.942,7.15 28.122,5.97 43.138,5.97 44.318,7.15 C2.1 46.716,8.43 49.1,8.43 51.1,10.43 51.1,15.03 56.15,20.08 ; J14.1 58.76,38.22 59.53,38.22 60.87,36.88 60.87,30.62 v1(61.45,30.04)
SIM_VPP: J14.6
SIM_VPP1: J4.6
SIM_VPP2: 
SPKN: C34.2 C35.2 C38.1 C39.1 J17.1 U5.4 | length 10.4
  Top Layer w0.5: U5.4 46.42,27.27 J17.1@46.86,27.71
  Bottom Layer w0.5: J17.1@46.41,27.5 J17.1@46.41,27.91 ; J17.1@46.86,27.71 46.715,27.855 C34.2 ; C34.2 C35.2 C39.1 C38.1 C34.2
SPKP: C30.2 C31.2 C34.1 C35.1 J17.2 U5.3 | length 10.7
  Top Layer w0.5: J17.2@44.96,27.71 45.42,27.25 U5.3
  Bottom Layer w0.5: J17.2@45.42,27.45 45.42,27.71 44.96,27.71 45.115,27.865 C34.1 ; C34.1 C31.2 C30.2 C35.1 C34.1
USB_DETECT: R9.2 R10.1 U2.8 | length 4.3
  Top Layer w0.5: R9.2 28.04,17.996 28.114,18.07 31.11,18.07 U2.8
USB_VDD: C4.1 U2.11 | length 2.2
  Top Layer w0.5: C4.1 31.09,14.16 U2.11
VBAT: C5.1 C7.1 C8.1 C9.1 C10.1 C27.2 C28.1 C29.1 J7.2 J11.1 R14.2 R23.1 U6.3 | length 50.7
  Top Layer w0.5: R23.1 31.75,39.28 J7.2 ; U6.3 34.475,37.675 ; 34.475,37.675 R14.2 36.855,36.9 J11.1 C27.2 36.455,41.325 35.68,42.1 J7.2 ; 34.475,37.675 34.475,37.945 34.8,38.27 C5.1 34.8,40.2 34.57,40.43 J7.2
  Bottom Layer w0.5: J7.2 34.04,41.57 C8.1 34.14,40.07 C7.1 36.715,36.76 ; C10.1 37.8,40.87 J11.1 36.715,36.76 ; C28.1 34.63,25.72 34.63,34.675 36.715,36.76
VCC: C23.2 C24.1 C25.1 D4.1 J23.2 R20.1 R21.2 U7.6 | length 26.4
  Top Layer w0.8: U7.6 19.755,15.655 R21.2 ; D4.1 22.625,28.15 R20.1
  Top Layer w1: R21.2 19.78,16.42 20.6,17.24 C24.1 C25.1 20.8,20.35 C23.2 25.555,20.35 J23.2 26.055,23.915 24.93,25.04 22.96,25.04 22.125,25.875 22.125,26.549 21.8,26.549 D4.1
VDD_EXT: U5.43
VRTC: C13.1 U5.52 | length 2.5
  Top Layer w0.5: C13.1 39.77,30.04 U5.52
pads on no net: A8.3 D3.2 J13.10 J13.11 J14.4 J14.8 SW1.1 SW1.3 U1.4 U1.5 U1.7 U1.13 U1.14 U1.15 U1.16 U1.17 U2.2 U2.3 U3.6 U3.8 U3.9

## Polygon pours and split planes (outlines as drawn)
B_GPS on Bottom Layer "GPS" (solid, pour order 8): 68.33,26.1 69.33,26.1 69.33,33.46 68.33,33.46
B_BT on Bottom Layer "BT" (solid, pour order 6): 69.33,25.2 69.33,23.41 68.33,23.41 68.33,25.2
GND on Bottom Layer "ANT_GND" (solid, remove dead copper, pour order 10): 70,0.002 70,23.212 63.58,23.212 63.58,33.712 70,33.712 70,55.002 0,55.002 0,0.002
B_GPS on Top Layer "GPS" (solid, remove dead copper, pour order 7): 69.325,33.315 69.325,26.105 67.755,26.105 67.755,26.555 68.325,26.555 68.325,33.315
GND on Top Layer "ANT_GND2" (solid, remove dead copper, pour order 9): 70,0 70,23.21 63.58,23.21 63.58,33.71 70,33.71 70,55 0,55 0,0

## Keep-outs
Keep-Out Layer:
  the board outline again, w0.2

## Other copper
Top Layer:
  pour cut-out: 22.26,54.94 22.26,47.048 45.656,47.048 45.66,54.94
Bottom Layer:
  pour cut-out: 22.292,54.73 22.292,47.05 44.288,47.05 44.292,54.73

## Text inside footprints (layer, text, board x,y; h text height)
C21: Mechanical 3 "+" at 29.389,21.536 h0.5 r90; Top Overlay "+" at 29.521,19.704 h0.75 r90
C22: Mechanical 3 "+" at 12.114,9.586 h0.5 r90; Top Overlay "+" at 12.246,7.754 h0.75 r90
C25: Mechanical 3 "+" at 20.864,18.136 h0.5 r90; Top Overlay "+" at 20.996,16.304 h0.75 r90
C28: Mechanical 3 "+" at 38.289,19.911 h0.5 r90; Top Overlay "+" at 38.421,18.079 h0.75 r90
J1: Mechanical 3 "1" at 50.47,19.015 h0.5 r90
J2: Mechanical 3 "C" at 48.39,43.351 h0.5 r90; Top Overlay "C" at 48.54,42.037 h0.75 r90
J3: Mechanical 3 "C" at 41.37,40.346 h0.5 r90; Top Overlay "C" at 41.52,39.032 h0.75 r90
J5: Mechanical 3 "1" at 4.42,16.455 h0.5 r270
J7: Mechanical 3 "1" at 30.99,41.15 h0.5
J11: Mechanical 3 "1" at 36.85,38.885 h0.5 r270
J13: Mechanical 3 "5" at 33.303,5.15 h0.5; Mechanical 3 "1" at 30.16,5.15 h0.5
J16: Mechanical 3 "3" at 56.513,46.53 h0.5; Mechanical 3 "1" at 49.77,46.58 h0.5
J20: Mechanical 3 "1" at 4.225,43.735 h0.5 r270
J22: Mechanical 3 "1" at 4.595,26.755 h0.5 r270
J23: Mechanical 3 "1" at 29.635,20.8 h0.5 r180
L3: Mechanical 3 "+" at 12.114,1.111 h0.5 r90; Top Overlay "+" at 12.246,-0.721 h0.75 r90